# Altium PCB k210.PcbDoc
Units mil, origin at the board's own origin, x right, y up, seen from the top; angles counter-clockwise.
Board outline 2310 x 1485 mil, 2 copper layers (Top Layer, Bottom Layer); 7 components, 53 nets, 150 pads, 98 vias.
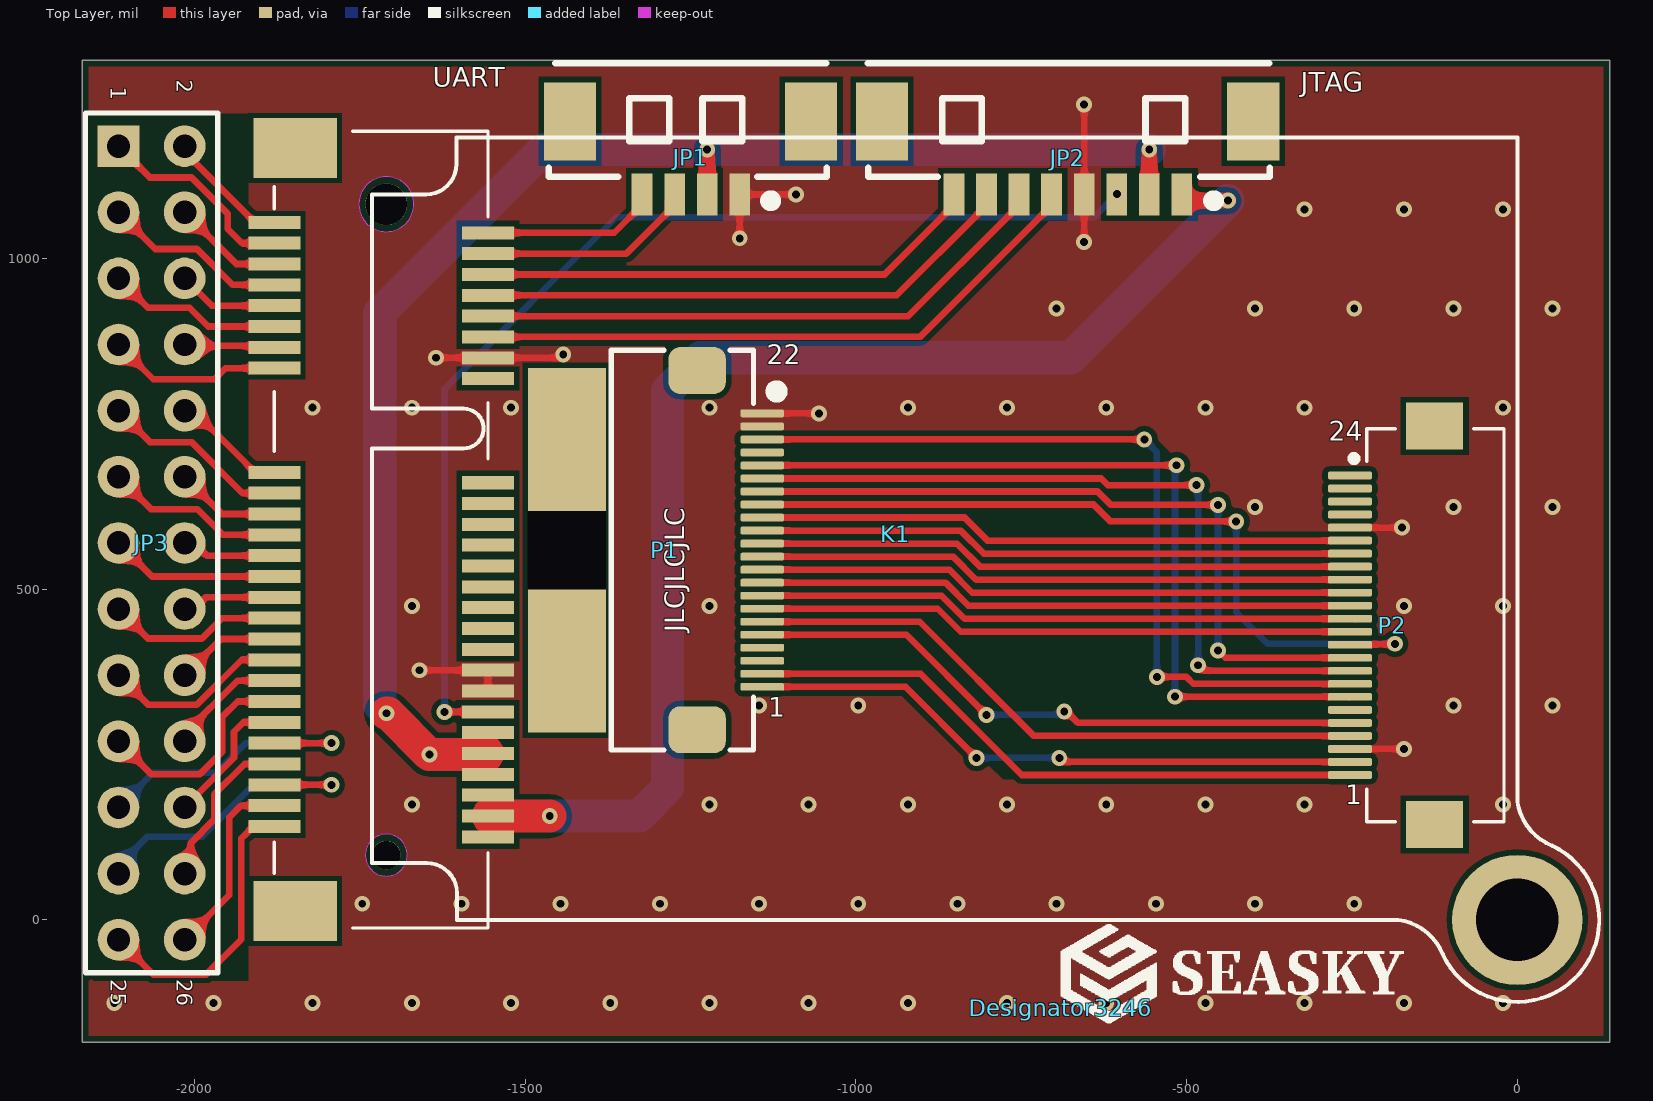
[diagram p0: Top Layer view]
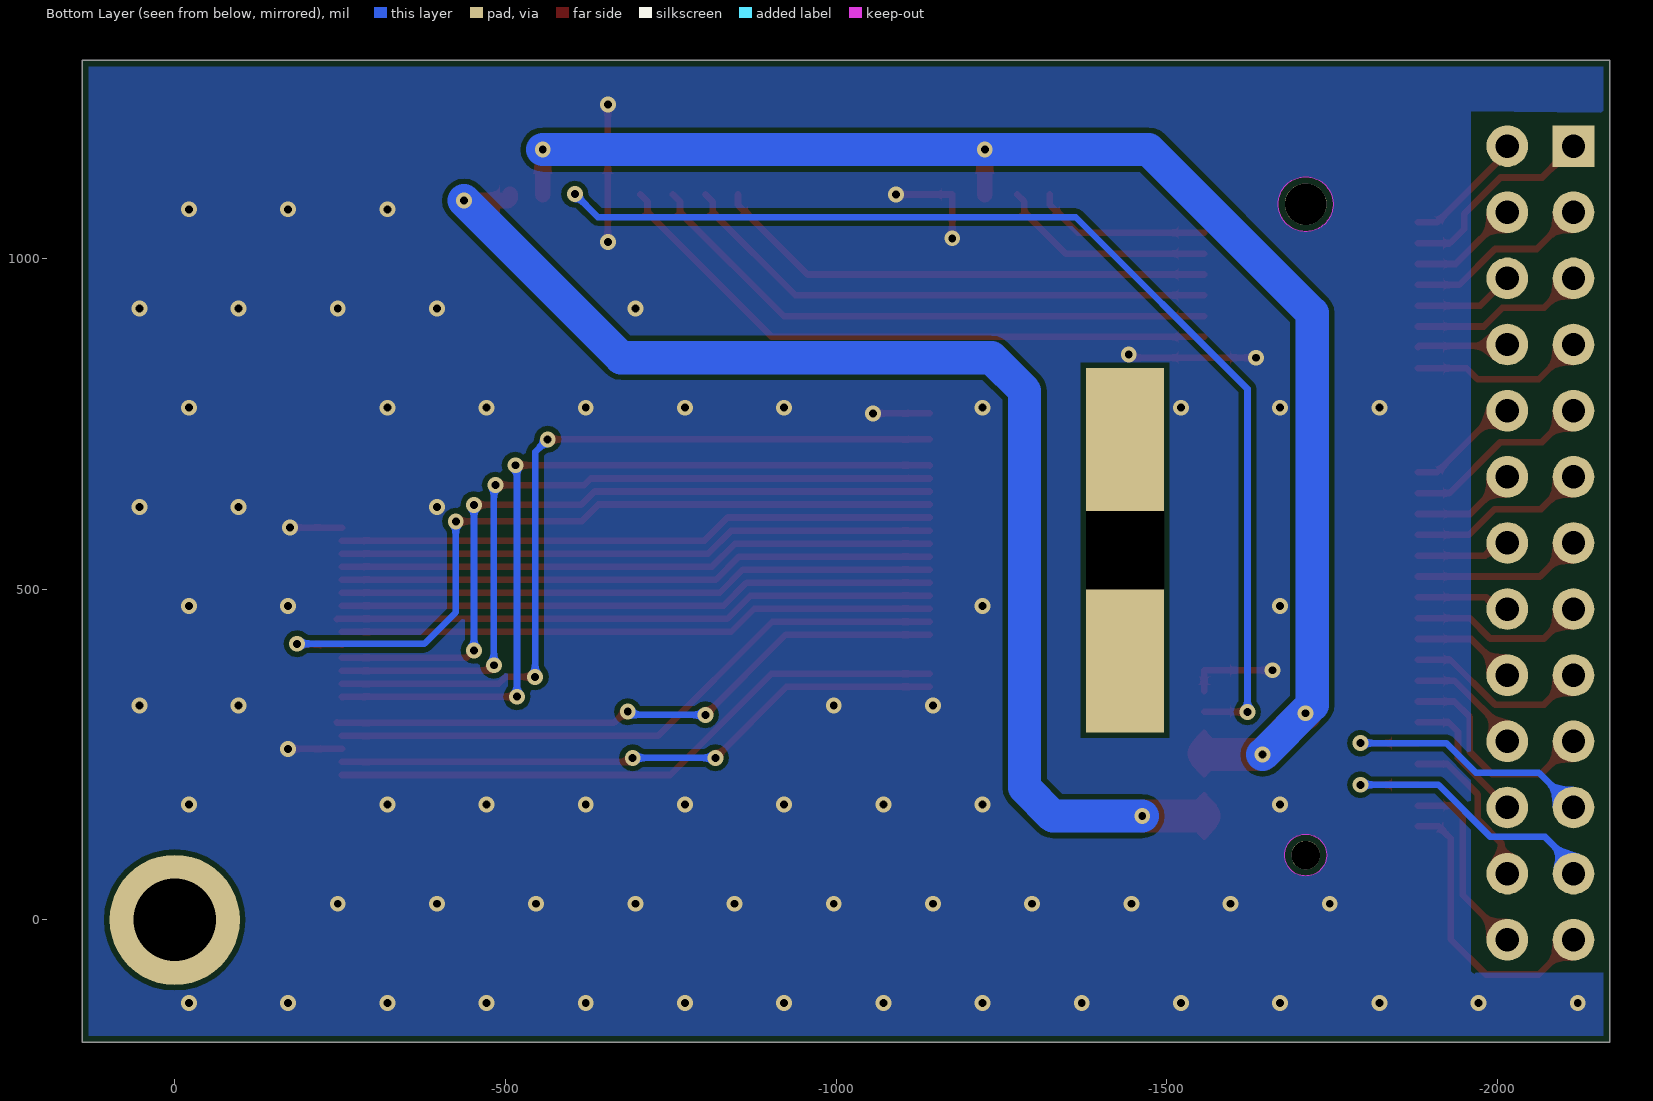
[diagram p1: Bottom Layer view, seen from below]

## Layer stack, top to bottom
Top Solder: solder mask 0.4, Solder Resist, Dk 3.5
Top Layer: signal copper 1.4
Dielectric 1: dielectric 12.6, FR-4, Dk 4.8
Bottom Layer: signal copper 1.4
Bottom Solder: solder mask 0.4, Solder Resist, Dk 3.5

## Board outline
-2170,-185 -2170,1300 140,1300 140,-185

## Design rules (kind name [scope] priority, off if disabled: settings)
BoardOutlineClearance [All] p1: gap=10 ignorepadtopadclearanceinfootprint=FALSE except(0: Arc-SplitContinuation Track-SplitContinuation SMDPad-SplitContinuation THPad-SplitContinuation Via-SplitContinuation Fill-SplitContinuation Poly-SplitContinuation Region-SplitContinuation Text-SplitContinuation)
Clearance [All] p1: gap=8 ignorepadtopadclearanceinfootprint=TRUE except(0: Arc-Hole Track-Hole SMDPad-Hole THPad-Hole Via-Hole Fill-Hole Poly-Hole Region-Hole Text-Hole)
PlaneConnect [All] p1: planeconnectstyle=Direct reliefexpansion=20 reliefentries=4 reliefconductorwidth=10 reliefairgap=15
PolygonConnect [All] p1: connectstyle=Direct reliefconductorwidth=10 reliefentries=4 polygonreliefangle="90 Angle" airgapwidth=10
RoutingVias [All] p1: holewidth=12 width=24 viastyle="Through Hole" minholewidth=12 minwidth=24 maxholewidth=12 maxwidth=24
SolderMaskExpansion [All] p1: expansion=4
Width [All] p1: maxlimit=100 minlimit=10 preferedwidth=10
29 further rules are at their usual default settings.

## Classes and differential pairs
component class k210: JP1 JP2 JP3 K1 P1 P2

## Components (designator, comment, footprint, x,y, rotation, side; value= is the part's Value field where it differs from the comment)
Designator3246 "Comment" SEASKY1 -690,-132.5 r0 top
JP1 "HDR-1X4" "MX 1.25-WS-4P" -1250,1207.5 r180 top locked
JP2 "HDR-1X8" "MX 1.25-WS-8P" -680,1207.5 r180 top locked
JP3 "Header 2X11" HDR2.54-LI-2x13P -2065,570 r270 top locked
K1 "SEASKY_K210" SEASKY_K210 -2100,1080 r0 top locked
P1 "FPC22" "FPC0.5 2H-WS-22P" -1240,559.15 r270 top locked
P2 "JLT24100B" FFC/SM0.5-2H24-LCD -188.98,445.54 r90 top locked

## Footprints (in the part's own frame and the unit in brackets; to place one, negate y for a bottom-side part, rotate by r counter-clockwise, add the part's x,y. Pads: shape width x height; smd on the part's side, far side on the other; paste and mask are expansions set on the pad)
FFC/SM0.5-2H24-LCD [mm] "Connector; FH12 Series; 24 Position; 0.5mm Spaced Bottom Contact"
  rrect50% 0.3x1.7 smd: 1(-5.75,1.625) 2(-5.25,1.625) 3(-4.75,1.625) 4(-4.25,1.625) 5(-3.75,1.625) 6(-3.25,1.625) 7(-2.75,1.625) 8(-2.25,1.625) 9(-1.75,1.625) 10(-1.25,1.625) 11(-0.75,1.625) 12(-0.25,1.625) 13(0.25,1.625) 14(0.75,1.625) 15(1.25,1.625) 16(1.75,1.625) 17(2.25,1.625) 18(2.75,1.625) 19(3.25,1.625) 20(3.75,1.625) 21(4.25,1.625) 22(4.75,1.625) 23(5.25,1.625) 24(5.75,1.625)
  rect 1.8x2.2 smd: P0(-7.65,-1.625) P0(7.65,-1.625)
  silkscreen extent -7.55,-4.29 7.55,1.6, body extent -8.05,-4.29 8.05,2.11, height 2.04
"FPC0.5 2H-WS-22P" [mm] "长：15.2mm，宽：5.2mm，高：2mm 淘宝ID:黄晶宝石   店铺网址:https://shop463601444.taobao.com"
  rrect50% 1.8x2.2 smd: 0(-6.9,0) 0(6.9,0)
  rrect50% 0.3x1.681 smd: 1(5.25,2.497) 2(4.75,2.497) 3(4.25,2.497) 4(3.75,2.497) 5(3.25,2.497) 6(2.75,2.497) 7(2.25,2.497) 8(1.75,2.497) 9(1.25,2.497) 10(0.75,2.497) 11(0.25,2.497) 12(-0.25,2.497) 13(-0.75,2.497) 14(-1.25,2.497) 15(-1.75,2.497) 16(-2.25,2.497) 17(-2.75,2.497) 18(-3.25,2.497) 19(-3.75,2.497) 20(-4.25,2.497) 21(-4.75,2.497) 22(-5.25,2.497)
  rect 14x3 hole 3 square: ""(0,-5.004)
  silkscreen extent -7.68,-3.3 7.68,3.23, body extent -18.76,-17.26 18.76,34.55, height 2
HDR2.54-LI-2x13P [mm] "双排排针，13x2脚 淘宝ID:黄晶宝石   店铺网址:https://shop463601444.taobao.com"
  rect 1.6x1.6 hole 0.9: 1(-15.24,-1.27)
  round 1.6 hole 0.9: 2(-15.24,1.27) 3(-12.7,-1.27) 4(-12.7,1.27) 5(-10.16,-1.27) 6(-10.16,1.27) 7(-7.62,-1.27) 8(-7.62,1.27) 9(-5.08,-1.27) 10(-5.08,1.27) 11(-2.54,-1.27) 12(-2.54,1.27) 13(0,-1.27) 14(0,1.27) 15(2.54,-1.27) 16(2.54,1.27) 17(5.08,-1.27) 18(5.08,1.27) 19(7.62,-1.27) 20(7.62,1.27) 21(10.16,-1.27) 22(10.16,1.27) 23(12.7,-1.27) 24(12.7,1.27) 25(15.24,-1.27) 26(15.24,1.27)
  silkscreen extent -16.51,-2.54 16.51,2.54, body extent -16.51,-2.54 16.51,2.54, height 8.5
"MX 1.25-WS-4P" [mm] "长：10.15mm，宽：4.2mm，高：3.4mm"
  rect 2x3 smd: 0(-4.632,0) 0(4.632,0)
  rect 0.8x1.6 smd: 1(-1.889,2.811) 2(-0.639,2.811) 3(0.611,2.811) 4(1.861,2.811)
  silkscreen extent -5.23,-2.23 5.45,3.25, body extent -5.07,-2.1 5.07,3.09, height 3.4
"MX 1.25-WS-8P" [mm] "长：15.15mm，宽：4.2mm，高：3.4mm"
  rect 2x3 smd: 0(-7.132,0) 0(7.132,0)
  rect 0.8x1.6 smd: 1(-4.389,2.811) 2(-3.139,2.811) 3(-1.889,2.811) 4(-0.639,2.811) 5(0.611,2.811) 6(1.861,2.811) 7(3.111,2.811) 8(4.361,2.811)
  silkscreen extent -7.77,-2.23 7.67,3.25, body extent -7.57,-2.1 7.57,3.09, height 3.4
SEASKY1 [mil]
  silkscreen extent 0,-23 518,126
SEASKY_K210 [mm]
  rect 2x0.5 smd: 1(5.606,-0.643) 2(13.806,-1.043) 3(5.606,-1.443) 4(13.806,-1.843) 5(5.606,-2.243) 6(13.806,-2.643) 7(5.606,-3.043) 8(13.806,-3.443) 9(5.606,-3.843) 10(13.806,-4.243) 11(5.606,-4.643) 12(13.806,-5.043) 13(5.606,-5.443) 14(13.806,-5.843) 15(5.606,-6.243) 16(13.806,-6.643) 17(5.606,-10.243) 18(13.806,-10.643) 19(5.606,-11.043) 20(13.806,-11.443) 21(5.606,-11.843) 22(13.806,-12.243) 23(5.606,-12.643) 24(13.806,-13.043) 25(5.606,-13.443) 26(13.806,-13.843) 27(5.606,-14.243) 28(13.806,-14.643) 29(5.606,-15.043) 30(13.806,-15.443) 31(5.606,-15.843) 32(13.806,-16.243) 33(5.606,-16.643) 34(13.806,-17.043) 35(5.606,-17.443) 36(13.806,-17.843) 37(5.606,-18.243) 38(13.806,-18.643) 39(5.606,-19.043) 40(13.806,-19.443) 41(5.606,-19.843) 42(13.806,-20.243) 43(5.606,-20.643) 44(13.806,-21.043) 45(5.606,-21.443) 46(13.806,-21.843) 47(5.606,-22.243) 48(13.806,-22.643) 49(5.606,-23.043) 50(13.806,-23.443) 51(5.606,-23.843) 52(13.806,-24.243)
  rect 3.2x2.3 smd: 53(6.406,2.207) 54(6.406,-27.093)
  round 1.6 hole 1.6 unplated: 55(9.906,0.057)
  round 1.1 hole 1.1 unplated: 56(9.906,-24.943)
  round 5 hole 3.175: ""(53.34,-27.432)
  Keep-Out Layer pour cut-out: 9.906,-0.997 9.961,-0.996 10.016,-0.991 10.071,-0.984 10.125,-0.974 10.179,-0.961 10.232,-0.946 10.284,-0.927 10.335,-0.906 10.385,-0.882 10.433,-0.856 10.48,-0.827 10.526,-0.796 10.57,-0.762 10.612,-0.726 10.652,-0.688 10.69,-0.648 10.725,-0.606 10.759,-0.563 10.79,-0.517 10.819,-0.47 10.845,-0.421 10.869,-0.372 10.89,-0.321 10.909,-0.269 10.924,-0.216 10.937,-0.162 10.947,-0.108 10.955,-0.053 10.959,0.002 10.96,0.057 10.959,0.112 10.955,0.167 10.947,0.222 10.937,0.276 10.924,0.33 10.909,0.383 10.89,0.435 10.869,0.486 10.845,0.536 10.819,0.584 10.79,0.631 10.759,0.677 10.725,0.721 10.69,0.763 10.652,0.803 10.612,0.841 10.57,0.877 10.526,0.91 10.48,0.941 10.433,0.97 10.385,0.997 10.335,1.02 10.284,1.042 10.232,1.06 10.179,1.076 10.125,1.089 10.071,1.099 10.016,1.106 9.961,1.11 9.906,1.112 9.851,1.11 9.796,1.106 9.741,1.099 9.687,1.089 9.633,1.076 9.58,1.06 9.528,1.042 9.477,1.02 9.427,0.997 9.379,0.97 9.332,0.941 9.286,0.91 9.242,0.877 9.2,0.841 9.16,0.803 9.122,0.763 9.087,0.721 9.053,0.677 9.022,0.631 8.993,0.584 8.967,0.536 8.943,0.486 8.922,0.435 8.903,0.383 8.888,0.33 8.875,0.276 8.865,0.222 8.857,0.167 8.853,0.112 8.852,0.057 8.853,0.002 8.857,-0.053 8.865,-0.108 8.875,-0.162 8.888,-0.216 8.903,-0.269 8.922,-0.321 8.943,-0.372 8.967,-0.421 8.993,-0.47 9.022,-0.517 9.053,-0.563 9.087,-0.606 9.122,-0.648 9.16,-0.688 9.2,-0.726 9.242,-0.762 9.286,-0.796 9.332,-0.827 9.379,-0.856 9.427,-0.882 9.477,-0.906 9.528,-0.927 9.58,-0.946 9.633,-0.961 9.687,-0.974 9.741,-0.984 9.796,-0.991 9.851,-0.996 9.906,-0.997
  Keep-Out Layer pour cut-out: 9.906,-25.747 9.955,-25.746 10.003,-25.741 10.051,-25.734 10.098,-25.724 10.145,-25.711 10.191,-25.695 10.236,-25.676 10.28,-25.655 10.322,-25.631 10.363,-25.605 10.402,-25.576 10.439,-25.545 10.475,-25.512 10.508,-25.476 10.539,-25.439 10.568,-25.4 10.594,-25.359 10.618,-25.317 10.64,-25.273 10.658,-25.228 10.674,-25.182 10.687,-25.135 10.697,-25.088 10.704,-25.04 10.709,-24.991 10.71,-24.943 10.709,-24.894 10.704,-24.846 10.697,-24.798 10.687,-24.75 10.674,-24.703 10.658,-24.658 10.64,-24.613 10.618,-24.569 10.594,-24.527 10.568,-24.486 10.539,-24.447 10.508,-24.409 10.475,-24.374 10.439,-24.341 10.402,-24.31 10.363,-24.281 10.322,-24.254 10.28,-24.231 10.236,-24.209 10.191,-24.191 10.145,-24.175 10.098,-24.162 10.051,-24.152 10.003,-24.144 9.955,-24.14 9.906,-24.138 9.857,-24.14 9.809,-24.144 9.761,-24.152 9.714,-24.162 9.667,-24.175 9.621,-24.191 9.576,-24.209 9.532,-24.231 9.49,-24.254 9.449,-24.281 9.41,-24.31 9.373,-24.341 9.337,-24.374 9.304,-24.409 9.273,-24.447 9.244,-24.486 9.218,-24.527 9.194,-24.569 9.172,-24.613 9.154,-24.658 9.138,-24.703 9.125,-24.75 9.115,-24.798 9.108,-24.846 9.103,-24.894 9.102,-24.943 9.103,-24.991 9.108,-25.04 9.115,-25.088 9.125,-25.135 9.138,-25.182 9.154,-25.228 9.172,-25.273 9.194,-25.317 9.218,-25.359 9.244,-25.4 9.273,-25.439 9.304,-25.476 9.337,-25.512 9.373,-25.545 9.41,-25.576 9.449,-25.605 9.49,-25.631 9.532,-25.655 9.576,-25.676 9.621,-25.695 9.667,-25.711 9.714,-25.724 9.761,-25.734 9.809,-25.741 9.857,-25.746 9.906,-25.747
  silkscreen extent 5.61,-30.58 56.49,2.86, body extent 5.31,-30.61 56.54,2.59, height 9.38

## Part data
JP1: library part "Header 4", "4P接插件"
JP2: library part "Header 8", "8P接插件"
JP3: library part "Header 13X2", "13*2P接插件"
K1: "mini-PCI-E"
P2: LatestRevisionDate=17-Jul-2002, LatestRevisionNote="Re-released for DXP Platform.", Publisher="Altium Limited"

## Via types
v1: diameter 24, hole 12, Top Layer to Bottom Layer, tented both sides, 98 vias

## Nets (pads, with @x,y where several pads share a name; then routed paths per layer and width w, separated by ;. In a path a pad name is that pad's centre, name@x,y a point inside that pad or via, vN(x,y) a via of type N, cw(c..) or ccw(c..) an arc to the next point about the centre after c; other vN are vias at no path point)
BOOT: JP3.12 K1.21 | length 159
  Top Layer w10: JP3.12 -1958.75,613.75 K1.21
GND: JP1.1 JP2.4 K1.14 K1.36 K1.38 P1.21 P1.22 P2.3 P2.20 | length 934.9
  Top Layer w10: v1(-1660.03,377.53) K1.36 K1.38 ; v1(-1634.97,849.97) K1.14 -1450.03,849.97 -1445,855 v1(-1442.5,855) ; v1(-1175.64,1030.64) JP1.1 v1(-1090.65,1096.85) ; P1.22 v1(-1055.85,765.85) ; v1@-655,1025 v1(-654.85,1025.15) JP2.4 v1(-654.85,1232.65) ; P2.3 v1(-171.03,258.53) ; P2.20 v1(-174.32,593.18)
  other v1: -2121.46,-125.54 -1971.46,-125.54 -1821.46,-125.54 -1671.46,-125.54 -1521.46,-125.54 -1371.46,-125.54 -1221.46,-125.54 -1071.46,-125.54 -921.46,-125.54 -771.46,-125.54 -621.46,-125.54 -471.46,-125.54 -321.46,-125.54 -171.46,-125.54 -21.46,-125.54 -1746.46,24.46 -1596.46,24.46 -1446.46,24.46 -1296.46,24.46 -1146.46,24.46 -996.46,24.46 -846.46,24.46 -696.46,24.46 -546.46,24.46 -396.46,24.46 -246.46,24.46 -1671.46,174.46 -1221.46,174.46 -1071.46,174.46 -921.46,174.46 -771.46,174.46 -621.46,174.46 -471.46,174.46 -321.46,174.46 -21.46,174.46 -1146.46,324.46 -996.46,324.46 -96.46,324.46 53.54,324.46 -1671.46,474.46 -1221.46,474.46 -171.46,474.46 -21.46,474.46 -396.46,624.46 -96.46,624.46 53.54,624.46 -1821.46,774.46 -1671.46,774.46 -1521.46,774.46 -1221.46,774.46 -921.46,774.46 -771.46,774.46 -621.46,774.46 -471.46,774.46 -321.46,774.46 -21.46,774.46 -696.46,924.46 -396.46,924.46 -246.46,924.46 -96.46,924.46 53.54,924.46 -321.46,1074.46 -171.46,1074.46 -21.46,1074.46
IO_6: JP3.2 K1.1 | length 188.8
  Top Layer w10: JP3.2 -2015,1160.87 -1908.82,1054.69 K1.1
IO_7: JP3.1 K1.3 | length 309.9
  Top Layer w10: JP3.1 -2067.5,1122.5 -2004.57,1122.5 -1950,1067.93 -1950,1045 -1928.2,1023.2 K1.3
IO_8: JP3.4 K1.5 | length 168.1
  Top Layer w10: JP3.4 -1936.7,991.7 K1.5
IO_9: JP3.3 K1.7 | length 281.2
  Top Layer w10: JP3.3 -2059.5,1014.5 -1996.57,1014.5 -1942.28,960.2 K1.7
IO_10: JP3.6 K1.9 | length 152.8
  Top Layer w10: JP3.6 -1973.71,928.71 K1.9
IO_11: JP3.5 K1.11 | length 265.9
  Top Layer w10: JP3.5 -2070.5,925.5 -2007.58,925.5 -1979.29,897.21 K1.11
IO_12: JP3.8 K1.13 | length 137.5
  Top Layer w10: JP3.8 -2012.86,867.86 -1881.43,867.86 K1.13
IO_13: JP3.7 K1.15 | length 264.4
  Top Layer w10: JP3.7 -2062.5,817.5 -1970,817.5 -1953.28,834.22 K1.15
IO_14: JP3.10 K1.17 | length 174.3
  Top Layer w10: JP3.10 -2002.08,770 -1908.82,676.74 K1.17
IO_15: JP3.9 K1.19 | length 287.4
  Top Layer w10: JP3.9 -2067.5,722.5 -2004.57,722.5 -1927.32,645.24 K1.19
IO_17: JP3.11 K1.23 | length 272.1
  Top Layer w10: JP3.11 -2066.06,621.06 -1996.06,621.06 -1957.25,582.25 K1.23
IO_18: JP3.14 K1.25 | length 143.7
  Top Layer w10: JP3.14 -2000.66,570 -1981.42,550.76 K1.25
IO_19: JP3.13 K1.27 | length 256.7
  Top Layer w10: JP3.13 -2064.26,519.26 K1.27
IO_20: JP3.16 K1.29 | length 143.1
  Top Layer w10: JP3.16 -2000.66,470 -1982.9,487.76 K1.29
IO_21: JP3.15 K1.31 | length 266.9
  Top Layer w10: JP3.15 -2070.5,425.5 -1988.93,425.5 -1958.16,456.27 K1.31
IO_22: JP3.18 K1.33 | length 158.4
  Top Layer w10: JP3.18 -1960.23,424.77 K1.33
IO_23: JP3.17 K1.35 | length 282.2
  Top Layer w10: JP3.17 -2070.5,325.5 -1996.57,325.5 -1928.8,393.28 K1.35
IO_24: JP3.20 K1.37 | length 180.5
  Top Layer w10: JP3.20 -2015,281.62 -1934.84,361.78 K1.37
IO_25: JP3.19 K1.39 | length 332.9
  Top Layer w10: JP3.19 -2065,220 -1992.5,220 -1958.4,254.1 -1958.4,306.6 -1934.72,330.28 K1.39
IO_30: JP3.22 K1.41 | length 212.5
  Top Layer w10: JP3.22 -2015,170.46 -1940.4,245.05 -1940.4,284.6 -1926.21,298.79 K1.41
IO_31: JP3.21 K1.43 | length 449.2
  Top Layer w10: K1.43 v1(-1792.71,267.29)
  Bottom Layer w10: JP3.21 -2062.62,222.38 -1967.62,222.38 -1922.71,267.29 v1(-1792.71,267.29)
IO_32: JP3.24 K1.45 | length 248.3
  Top Layer w10: JP3.24 -2005.58,79.42 -2005.58,116.5 -1970.5,151.57 -1970.5,189.5 -1924.2,235.8 K1.45
IO_33: JP3.23 K1.47 | length 471.8
  Top Layer w10: K1.47 v1(-1792.71,204.3)
  Bottom Layer w10: JP3.23 -2105.58,79.42 -2105.58,91.92 -2072,125.5 -1989.5,125.5 -1910.7,204.3 v1(-1792.71,204.3)
IO_34: JP3.26 K1.49 | length 288.5
  Top Layer w10: JP3.26 -1947.5,37.5 -1947.5,155 -1929.7,172.8 K1.49
IO_35: JP3.25 K1.51 | length 439.5
  Top Layer w10: JP3.25 -2062.5,-82.5 -1982.5,-82.5 -1929.5,-29.5 -1929.5,123 -1911.19,141.31 K1.51
IOVCC: P1.5 P2.5 | length 956.4
  Top Layer w10: P1.5 -923.7,431.2 v1(-802.5,310) ; v1(-685,315) -681.21,315 -664.11,297.9 P2.5 -245.78,297.9 P2.5@-245,298.68
  Bottom Layer w10: v1(-802.5,310) -690,310 v1(-685,315)
ISP_RX: JP1.3 K1.4 | length 329
  Top Layer w10: K1.4 -1347.04,1007.45 -1284.81,1069.68 -1284.81,1086.1 JP1.3
ISP_TX: JP1.4 K1.2 | length 266.4
  Top Layer w10: K1.2 -1365.43,1038.94 -1323.28,1081.1 JP1.4
JTAG_TCK: JP2.8 K1.6 | length 764.1
  Top Layer w10: K1.6 -956.85,975.95 -851.7,1081.1 JP2.8
JTAG_TDI: JP2.7 K1.8 | length 826.7
  Top Layer w10: K1.8 -938.46,944.46 -813.24,1069.68 -813.24,1086.1 JP2.7
JTAG_TDO: JP2.5 K1.12 | length 951.2
  Top Layer w10: K1.12 -903.03,881.46 -714.81,1069.68 -714.81,1086.1 JP2.5
JTAG_TMS: JP2.6 K1.10 | length 889
  Top Layer w10: K1.10 -920.75,912.96 -764.02,1069.68 -764.02,1086.1 JP2.6
LCD_CS: P1.18 P2.7 | length 1243.2
  Top Layer w10: P1.18 -1141.3,687.5 v1(-515,687.5) ; v1(-517.5,337.5) -254.74,337.5 -253.73,336.49 P2.7
  Bottom Layer w10: v1(-517.5,337.5) -517.5,685 v1(-515,687.5)
LCD_DC: P1.17 P2.9 | length 1167.3
  Top Layer w10: P1.17 -629.01,667.42 -619.09,657.5 v1(-485,657.5) ; v1(-482.5,385) -474.14,376.64 P2.9
  Bottom Layer w10: v1(-485,657.5) -482.5,655 v1(-482.5,385)
LCD_RD: P1.15 P2.11 | length 1193
  Top Layer w10: P1.15 -640.55,628.05 -615,602.5 v1(-425,602.5) ; P2.11 -252.21,416.76 -185.74,416.76 v1(-185,417.5)
  Bottom Layer w10: v1(-425,602.5) -425,465 -377.5,417.5 v1(-185,417.5)
LCD_RST: P1.20 P2.8 | length 1241
  Top Layer w10: P1.20 v1(-563.98,726.48) ; v1(-545,367.5) -500.36,367.5 -489.81,356.96 P2.8
  Bottom Layer w10: v1(-563.98,726.48) -545,707.5 v1(-545,367.5)
LCD_WR: P1.16 P2.10 | length 1121.8
  Top Layer w10: P1.16 -634.78,647.74 -614.54,627.5 v1(-452.5,627.5) ; v1(-452.5,407.5) -441.33,396.33 P2.10
  Bottom Layer w10: v1(-452.5,407.5) v1(-452.5,627.5)
LEDA: P1.1 P2.2 | length 935.8
  Top Layer w10: P1.1 -924.96,352.46 v1(-817.5,245) ; v1(-692.5,245) -688.71,245 -682.56,238.85 P2.2
  Bottom Layer w10: v1(-817.5,245) v1(-692.5,245)
LEDK: P1.2 P2.1 | length 952.1
  Top Layer w10: P1.2 -902.15,372.15 -749.16,219.16 P2.1
RESETN: JP2.3 K1.40 | length 1693
  Top Layer w10: v1(-1622.04,314.54) K1.40
  Bottom Layer w10: v1(-1622.04,314.54) -1622.04,802.96 -1362.5,1062.5 -640,1062.5 v1(-605,1097.5)
SPI0_D0: P1.14 P2.19 | length 903.2
  Top Layer w10: P1.14 -835.87,608.37 -800.99,573.49 P2.19
SPI0_D1: P1.13 P2.18 | length 903.2
  Top Layer w10: P1.13 -841.64,588.68 -806.76,553.81 P2.18
SPI0_D2: P1.12 P2.17 | length 903.2
  Top Layer w10: P1.12 -847.41,569 -812.53,534.12 P2.17
SPI0_D3: P1.11 P2.16 | length 903.2
  Top Layer w10: P1.11 -853.18,549.31 -818.3,514.44 P2.16
SPI0_D4: P1.10 P2.15 | length 903.2
  Top Layer w10: P1.10 -858.95,529.63 -824.08,494.75 P2.15
SPI0_D5: P1.9 P2.14 | length 903.2
  Top Layer w10: P1.9 -864.72,509.94 -829.85,475.07 P2.14
SPI0_D6: P1.8 P2.13 | length 911.5
  Top Layer w10: P1.8 -870.49,490.26 -835.62,455.38 P2.13 -245.78,455.38 P2.13@-245,454.6
SPI0_D7: P1.7 P2.12 | length 903.2
  Top Layer w10: P1.7 -876.26,470.57 -841.39,435.7 P2.12
VBUS: JP1.2 JP2.2 K1.42 K1.44 K1.46 | length 2343.7
  Top Layer w10: K1.46 K1.44 K1.42
  Top Layer w24: JP1.2 v1(-1224.85,1164.85) ; JP2.2 v1(-556.43,1164.85)
  Top Layer w50: v1(-1710,312.5) -1707.5,312.5 v1(-1645,250) -1558,250 K1.44
  Bottom Layer w50: v1(-1645,250) -1720,325 -1720,917.5 -1472.65,1164.85 v1(-1224.85,1164.85) v1(-556.43,1164.85)
VCC3V3: P1.6 P2.4 | length 960.3
  Top Layer w10: P1.6 -903.39,450.89 -730.72,278.22 P2.4
VIN: JP2.1 K1.48 K1.50 K1.52 | length 1995.7
  Top Layer w10: K1.52 K1.50 K1.48
  Top Layer w24: JP2.1 -507.21,1091.25 -503.46,1087.5 v1(-437.5,1087.5)
  Top Layer w50: K1.50 v1(-1462.95,157.05)
  Bottom Layer w50: v1(-1462.95,157.05) -1327.95,157.05 -1285,200 -1285,800 -1235,850 -675,850 v1(-437.5,1087.5)
pads on no net: JP1.0 JP2.0 K1. K1.16 K1.18 K1.20 K1.22 K1.24 K1.26 K1.28 K1.30 K1.32 K1.34 K1.53 K1.54 K1.55 K1.56 P1. P1.0 P1.3 P1.4 P1.19 P2.6 P2.21 P2.22 P2.23 P2.24 P2.P0

## Polygon pours and split planes (outlines as drawn)
GND on Top Layer "Top Layer-GND" (solid, remove dead copper, pour order 0): -2180,1319.08 -2180,-192.5 165,-192.5 165,1319.08
GND on Bottom Layer "Bottom Layer-GND" (solid, remove dead copper, pour order 2): -2170,1345.6 -2170,-185 140,-185 140,1345.6

## Other copper
Top Layer:
  pour cut-out: -2167.5,1220 -2167.5,-77.5 -2152.5,-92.5 -1918.27,-92.5 -1918.27,1219.66
  pour cut-out: -2154.5,1209.5
  pour cut-out: -1097.53,713.22 -1112.5,698.26 -1112.5,400 -1062.5,350 -915,350 -777.5,212.5 -257.5,212.5 -287.76,242.76 -287.76,469.05 -543.71,725 -572.5,725
Bottom Layer:
  pour cut-out: -2162.5,1220 -2167.5,1215 -2167.5,-80 -1967.5,-80 -1965,-82.5 -1960,-77.5 -1960,1222.5

## Silkscreen, mask and mechanical layers (free items; w line width, h text height)
Top Overlay:
  text "UART" at -1640,1250 h50
  text "JTAG" at -327.5,1242.5 h50
  text "22" at -1135,830 h50
  text "24" at -285,715 h50
  text "JLCJLCJLC" at -1250,435 h50 r90
  text "1" at -1132.5,297.5 h50
  text "1" at -260,165 h50
Mechanical 1:
  the board outline again, w10
Drill Drawing:
  the board outline again, w4

## Text inside footprints (layer, text, board x,y; h text height)
JP3: Top Overlay "26" at -2035,-90 h40 r270; Top Overlay "25" at -2135,-90 h40 r270; Top Overlay "1" at -2135,1260 h40 r270; Top Overlay "2" at -2035,1270 h40 r270